# Allegro board 1281021_HW-FMC-XM500_Rev1_0.brd (continued)
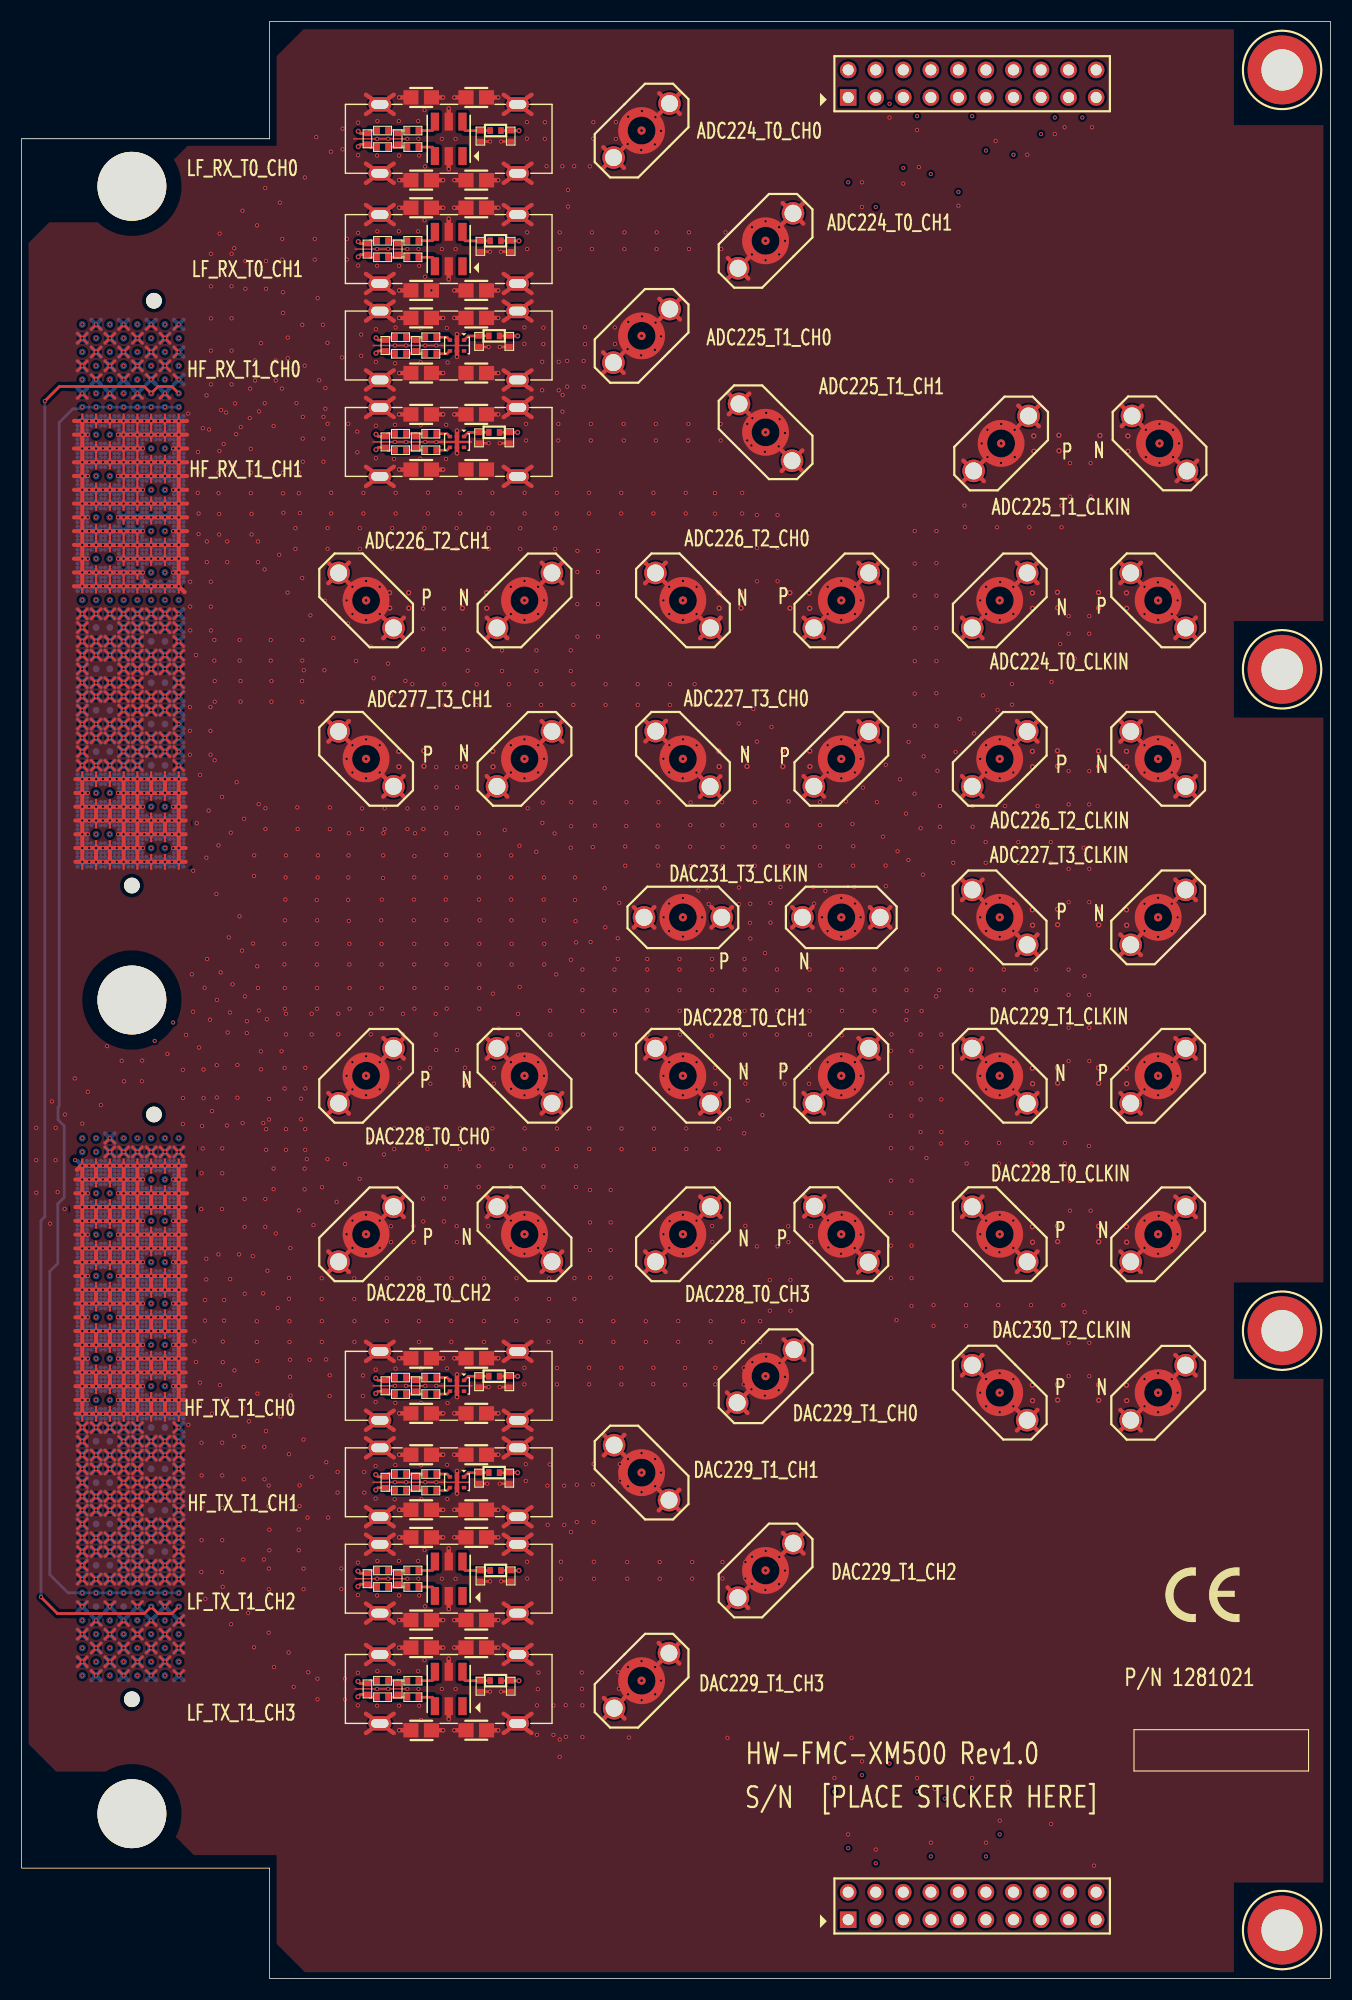
[diagram p0: board, top side]
## Routing (per net, layer and track width the routed paths; a pad name or vN(x,y) marks a point on that pad's centre or on a via; arc(x,y) is an arc through that point) (continued)
  L05_SIG w0.381: 10.33,47.88 v2(10.67,48.23) ; v2(10.67,48.23) 11.01,48.57 ; v2(10.67,48.23) 11.01,47.88 ; v2(10.67,48.23) 10.33,48.57 ; J28.3 93.65,67 ; J28.3 91.75,67 ; J28.3 93.65,65.1 ; J28.3 91.75,65.1 ; 7.79,48.57 v2(8.13,48.23) ; v2(8.13,48.23) 7.79,47.88 ; v2(8.13,48.23) 8.47,48.57 ; v2(8.13,48.23) 8.47,47.88 ; 14.14,45.34 v2(14.48,45.69) ; v2(14.48,45.69) 14.82,46.03 ; v2(14.48,45.69) 14.14,46.03 ; v2(14.48,45.69) 14.82,45.34 ; 14.14,116.53 v2(14.48,116.87) ; v2(14.48,116.87) 14.82,116.53 ; v2(14.48,116.87) 14.82,117.22 ; v2(14.48,116.87) 14.14,117.22 ; 11.6,47.88 v2(11.94,48.23) ; v2(11.94,48.23) 11.6,48.57 ; v2(11.94,48.23) 12.28,48.57 ; v2(11.94,48.23) 12.28,47.88 ; J897.3 108.26,55.56 ; J897.3 106.36,57.46 ; J897.3 108.26,57.46 ; J897.3 106.36,55.56 ; 42.87,86.67 J27.3 ; J27.3 42.87,84.77 ; J27.3 44.77,86.67 ; J27.3 44.77,84.77 ; v2(10.67,118.14) 11.01,118.49 ; v2(10.67,118.14) 10.33,117.8 ; v2(10.67,118.14) 11.01,117.8 ; v2(10.67,118.14) 10.33,118.49 ; J31.3 88.59,123.52 ; J31.3 86.69,125.42 ; J31.3 86.69,123.52 ; J31.3 88.59,125.42 ; v2(10.67,38.07) 11.01,38.41 ; v2(10.67,38.07) 11.01,37.72 ; v2(10.67,38.07) 10.33,38.41 ; v2(10.67,38.07) 10.33,37.72 ; 106.36,84.77 J896.3 ; J896.3 106.36,86.67 ; J896.3 108.26,84.77 ; J896.3 108.26,86.67 ; J893.2 93.65,113.98 ; J893.2 91.75,113.98 ; J893.2 91.75,115.88 ; J893.2 93.65,115.88 ; J898.2 88.59,55.56 ; J898.2 88.59,57.46 ; J898.2 86.69,57.46 ; J898.2 86.69,55.56 ; v2(9.4,40.61) 9.74,40.26 ; v2(9.4,40.61) 9.06,40.26 ; v2(9.4,40.61) 9.74,40.95 ; v2(9.4,40.61) 9.06,40.95 ; 6.52,50.42 v2(6.86,50.77) ; v2(6.86,50.77) 6.52,51.11 ; v2(6.86,50.77) 7.2,51.11 ; v2(6.86,50.77) 7.2,50.42 ; v2(6.86,40.61) 7.2,40.95 ; v2(6.86,40.61) 6.52,40.26 ; v2(6.86,40.61) 6.52,40.95 ; v2(6.86,40.61) 7.2,40.26 ; v2(9.4,125.76) 9.74,125.42 ; v2(9.4,125.76) 9.74,126.11 ; v2(9.4,125.76) 9.06,125.42 ; v2(9.4,125.76) 9.06,126.11 ; J37.2 79.05,113.98 ; J37.2 77.15,113.98 ; J37.2 77.15,115.88 ; J37.2 79.05,115.88 ; J39.2 30.17,113.98 ; J39.2 28.27,115.88 ; J39.2 28.27,113.98 ; J39.2 30.17,115.88 ; v2(13.21,124.49) 13.55,124.84 ; v2(13.21,124.49) 13.55,124.15 ; v2(13.21,124.49) 12.87,124.15 ; v2(13.21,124.49) 12.87,124.84 ; 7.79,43.49 v2(8.13,43.15) ; v2(8.13,43.15) 8.47,42.8 ; v2(8.13,43.15) 7.79,42.8 ; v2(8.13,43.15) 8.47,43.49 ; v2(9.4,123.22) 9.74,123.57 ; v2(9.4,123.22) 9.06,123.57 ; v2(9.4,123.22) 9.74,122.88 ; v2(9.4,123.22) 9.06,122.88 ; 7.79,123.57 v2(8.13,123.22) ; v2(8.13,123.22) 7.79,122.88 ; v2(8.13,123.22) 8.47,122.88 ; v2(8.13,123.22) 8.47,123.57 ; v2(13.21,45.69) 13.55,46.03 ; v2(13.21,45.69) 12.87,45.34 ; v2(13.21,45.69) 12.87,46.03 ; v2(13.21,45.69) 13.55,45.34 ; 34.3,143.89 RFCAGE5.4 31.74,143.89 ; RFCAGE8.3 47,173.61 ; RFCAGE8.3 44.44,173.61 ; RFCAGE8.3 47,171.83 ; RFCAGE8.3 44.44,171.83 ; 7.79,36.45 v2(8.13,36.8) ; v2(8.13,36.8) 8.47,36.45 ; v2(8.13,36.8) 8.47,37.14 ; v2(8.13,36.8) 7.79,37.14 ; v2(5.59,121.95) 5.93,121.61 ; v2(5.59,121.95) 5.25,121.61 ; v2(5.59,121.95) 5.93,122.3 ; v2(5.59,121.95) 5.25,122.3 ; v2(10.67,45.69) 11.01,46.03 ; v2(10.67,45.69) 10.33,46.03 ; v2(10.67,45.69) 11.01,45.34 ; v2(10.67,45.69) 10.33,45.34 ; J5.3 66.98,34.13 ; J5.3 65.08,36.03 ; J5.3 66.98,36.03 ; J5.3 65.08,34.13 ; 101.29,79.7 J896.2 ; J896.2 101.29,81.6 ; J896.2 103.19,81.6 ; J896.2 103.19,79.7 ; 72.08,110.81 J37.3 ; J37.3 73.98,108.91 ; J37.3 73.98,110.81 ; J37.3 72.08,108.91 ; 10.33,113.99 v2(10.67,114.33) ; v2(10.67,114.33) 11.01,113.99 ; v2(10.67,114.33) 11.01,114.68 ; v2(10.67,114.33) 10.33,114.68 ; J889.3 93.78,144.95 ; J889.3 93.78,143.05 ; J889.3 91.88,144.95 ; J889.3 91.88,143.05 ; J30.2 103.19,130.48 ; J30.2 101.29,130.48 ; J30.2 101.29,128.58 ; J30.2 103.19,128.58 ; 7.79,125.42 v2(8.13,125.76) ; v2(8.13,125.76) 7.79,126.11 ; v2(8.13,125.76) 8.47,125.42 ; v2(8.13,125.76) 8.47,126.11 ; 101.29,94.31 J892.3 ; J892.3 101.29,96.21 ; J892.3 103.19,96.21 ; J892.3 103.19,94.31 ; 5.25,115.95 v2(5.59,115.6) ; v2(5.59,115.6) 5.93,115.95 ; v2(5.59,115.6) 5.25,115.26 ; v2(5.59,115.6) 5.93,115.26 ; v2(5.59,38.07) 5.93,37.72 ; v2(5.59,38.07) 5.93,38.41 ; v2(5.59,38.07) 5.25,38.41 ; v2(5.59,38.07) 5.25,37.72 ; 11.6,124.84 v2(11.94,124.49) ; v2(11.94,124.49) 12.28,124.15 ; v2(11.94,124.49) 11.6,124.15 ; v2(11.94,124.49) 12.28,124.84 ; v2(6.86,111.79) 7.2,112.14 ; v2(6.86,111.79) 7.2,111.45 ; v2(6.86,111.79) 6.52,112.14 ; v2(6.86,111.79) 6.52,111.45 ; v2(10.67,121.95) 11.01,121.61 ; v2(10.67,121.95) 11.01,122.3 ; v2(10.67,121.95) 10.33,122.3 ; v2(10.67,121.95) 10.33,121.61 ; v2(10.67,115.6) 11.01,115.26 ; v2(10.67,115.6) 10.33,115.95 ; v2(10.67,115.6) 11.01,115.95 ; v2(10.67,115.6) 10.33,115.26 ; 9.06,36.45 v2(9.4,36.8) ; v2(9.4,36.8) 9.06,37.14 ; v2(9.4,36.8) 9.74,37.14 ; v2(9.4,36.8) 9.74,36.45 ; J34.3 30.17,128.58 ; J34.3 28.27,130.48 ; J34.3 28.27,128.58 ; J34.3 30.17,130.48 ; v2(5.59,40.61) 5.93,40.26 ; v2(5.59,40.61) 5.93,40.95 ; v2(5.59,40.61) 5.25,40.95 ; v2(5.59,40.61) 5.25,40.26 ; 14.14,46.61 v2(14.48,46.96) ; v2(14.48,46.96) 14.82,47.3 ; v2(14.48,46.96) 14.82,46.61 ; v2(14.48,46.96) 14.14,47.3 ; 9.06,114.68 v2(9.4,114.33) ; v2(9.4,114.33) 9.06,113.99 ; v2(9.4,114.33) 9.74,114.68 ; v2(9.4,114.33) 9.74,113.99 ; J20.2 79.05,86.67 ; J20.2 77.15,84.77 ; J20.2 79.05,84.77 ; J20.2 77.15,86.67 ; 33.33,70.16 J22.3 ; J22.3 33.33,72.06 ; J22.3 35.23,72.06 ; J22.3 35.23,70.16 ; v2(14.48,76.17) 14.82,75.82 ; v2(14.48,76.17) 14.14,75.82 ; v2(14.48,76.17) 14.82,76.51 ; v2(14.48,76.17) 14.14,76.51 ; v2(14.48,50.77) 14.82,51.11 ; v2(14.48,50.77) 14.14,50.42 ; v2(14.48,50.77) 14.82,50.42 ; v2(14.48,50.77) 14.14,51.11 ; 11.6,117.8 v2(11.94,118.14) ; v2(11.94,118.14) 12.28,118.49 ; v2(11.94,118.14) 11.6,118.49 ; v2(11.94,118.14) 12.28,117.8 ; 10.33,126.11 v2(10.67,125.76) ; v2(10.67,125.76) 11.01,125.42 ; v2(10.67,125.76) 10.33,125.42 ; v2(10.67,125.76) 11.01,126.11 ; 6.52,114.68 v2(6.86,114.33) ; v2(6.86,114.33) 6.52,113.99 ; v2(6.86,114.33) 7.2,114.68 ; v2(6.86,114.33) 7.2,113.99 ; 11.6,36.45 v2(11.94,36.8) ; v2(11.94,36.8) 12.28,36.45 ; v2(11.94,36.8) 11.6,37.14 ; v2(11.94,36.8) 12.28,37.14 ; 28.27,81.6 J26.3 ; J26.3 30.17,81.6 ; J26.3 30.17,79.7 ; J26.3 28.27,79.7 ; v2(9.4,38.07) 9.74,38.41 ; v2(9.4,38.07) 9.06,38.41 ; v2(9.4,38.07) 9.06,37.72 ; v2(9.4,38.07) 9.74,37.72 ; v2(10.67,123.22) 11.01,122.88 ; v2(10.67,123.22) 10.33,122.88 ; v2(10.67,123.22) 11.01,123.57 ; v2(10.67,123.22) 10.33,123.57 ; J32.2 64.44,125.42 ; J32.2 64.44,123.52 ; J32.2 62.54,123.52 ; J32.2 62.54,125.42 ; J22.2 30.17,65.1 ; J22.2 30.17,67 ; J22.2 28.27,67 ; J22.2 28.27,65.1 ; RFCAGE3.4 34.3,48 ; RFCAGE3.4 31.74,49.79 ; RFCAGE3.4 34.3,49.79 ; RFCAGE3.4 31.74,48 ; v2(11.94,121.95) 12.28,121.61 ; v2(11.94,121.95) 11.6,122.3 ; v2(11.94,121.95) 12.28,122.3 ; v2(11.94,121.95) 11.6,121.61 ; 101.29,67 J29.2 ; J29.2 103.19,65.1 ; J29.2 101.29,65.1 ; J29.2 103.19,67 ; J897.2 103.19,52.39 ; J897.2 101.29,52.39 ; J897.2 101.29,50.49 ; J897.2 103.19,50.49 ; 33.33,125.42 J34.2 ; J34.2 35.23,125.42 ; J34.2 33.33,123.52 ; J34.2 35.23,123.52 ; v2(5.59,45.69) 5.93,46.03 ; v2(5.59,45.69) 5.25,46.03 ; v2(5.59,45.69) 5.93,45.34 ; v2(5.59,45.69) 5.25,45.34 ; v2(6.86,119.41) 7.2,119.76 ; v2(6.86,119.41) 6.52,119.07 ; v2(6.86,119.41) 7.2,119.07 ; v2(6.86,119.41) 6.52,119.76 ; J25.2 64.44,72.06 ; J25.2 62.54,72.06 ; J25.2 64.44,70.16 ; J25.2 62.54,70.16 ; v2(5.59,46.96) 5.93,46.61 ; v2(5.59,46.96) 5.25,46.61 ; v2(5.59,46.96) 5.93,47.3 ; v2(5.59,46.96) 5.25,47.3 ; 10.33,39.68 v2(10.67,39.34) ; v2(10.67,39.34) 11.01,39.68 ; v2(10.67,39.34) 10.33,38.99 ; v2(10.67,39.34) 11.01,38.99 ; v2(5.59,39.34) 5.93,39.68 ; v2(5.59,39.34) 5.25,38.99 ; v2(5.59,39.34) 5.25,39.68 ; v2(5.59,39.34) 5.93,38.99 ; 7.79,117.8 v2(8.13,118.14) ; v2(8.13,118.14) 8.47,118.49 ; v2(8.13,118.14) 8.47,117.8 ; v2(8.13,118.14) 7.79,118.49 ; J33.3 79.05,130.48 ; J33.3 77.15,128.58 ; J33.3 79.05,128.58 ; J33.3 77.15,130.48 ; 47.94,115.88 J40.3 ; J40.3 47.94,113.98 ; J40.3 49.84,113.98 ; J40.3 49.84,115.88 ; RFCAGE4.3 47,58.68 ; RFCAGE4.3 47,56.89 ; RFCAGE4.3 44.44,58.68 ; RFCAGE4.3 44.44,56.89 ; 57.5,114 J36.3 ; J36.3 57.5,115.9 ; J36.3 59.4,114 ; J36.3 59.4,115.9 ; J5.2 72.08,41.05 ; J5.2 70.18,41.05 ; J5.2 70.18,39.15 ; J5.2 72.08,39.15 ; 5.25,44.07 v2(5.59,44.42) ; v2(5.59,44.42) 5.25,44.76 ; v2(5.59,44.42) 5.93,44.76 ; v2(5.59,44.42) 5.93,44.07 ; v2(8.13,114.33) 8.47,113.99 ; v2(8.13,114.33) 8.47,114.68 ; v2(8.13,114.33) 7.79,113.99 ; v2(8.13,114.33) 7.79,114.68 ; 9.06,115.26 v2(9.4,115.6) ; v2(9.4,115.6) 9.74,115.95 ; v2(9.4,115.6) 9.74,115.26 ; v2(9.4,115.6) 9.06,115.95 ; v2(6.86,48.23) 7.2,48.57 ; v2(6.86,48.23) 6.52,48.57 ; v2(6.86,48.23) 6.52,47.88 ; v2(6.86,48.23) 7.2,47.88 ; 5.25,43.49 v2(5.59,43.15) ; v2(5.59,43.15) 5.25,42.8 ; v2(5.59,43.15) 5.93,42.8 ; v2(5.59,43.15) 5.93,43.49 ; v2(6.86,118.14) 7.2,117.8 ; v2(6.86,118.14) 6.52,117.8 ; v2(6.86,118.14) 6.52,118.49 ; v2(6.86,118.14) 7.2,118.49 ; 10.33,49.84 v2(10.67,49.5) ; v2(10.67,49.5) 10.33,49.15 ; v2(10.67,49.5) 11.01,49.84 ; v2(10.67,49.5) 11.01,49.15 ; 5.25,120.34 v2(5.59,120.68) ; v2(5.59,120.68) 5.93,121.03 ; v2(5.59,120.68) 5.93,120.34 ; v2(5.59,120.68) 5.25,121.03 ; v2(10.67,111.79) 11.01,111.45 ; v2(10.67,111.79) 10.33,112.14 ; v2(10.67,111.79) 11.01,112.14 ; v2(10.67,111.79) 10.33,111.45 ; v2(9.4,49.5) 9.74,49.15 ; v2(9.4,49.5) 9.74,49.84 ; v2(9.4,49.5) 9.06,49.84 ; v2(9.4,49.5) 9.06,49.15 ; v2(5.59,116.87) 5.93,116.53 ; v2(5.59,116.87) 5.25,116.53 ; v2(5.59,116.87) 5.93,117.22 ; v2(5.59,116.87) 5.25,117.22 ; RFCAGE3.3 47,48 ; RFCAGE3.3 44.44,48 ; RFCAGE3.3 47,49.79 ; RFCAGE3.3 44.44,49.79 ; v2(11.94,40.61) 12.28,40.26 ; v2(11.94,40.61) 11.6,40.95 ; v2(11.94,40.61) 12.28,40.95 ; v2(11.94,40.61) 11.6,40.26 ; v2(14.48,121.95) 14.82,121.61 ; v2(14.48,121.95) 14.14,121.61 ; v2(14.48,121.95) 14.82,122.3 ; v2(14.48,121.95) 14.14,122.3 ; 9.06,118.49 v2(9.4,118.14) ; v2(9.4,118.14) 9.74,117.8 ; v2(9.4,118.14) 9.06,117.8 ; v2(9.4,118.14) 9.74,118.49 ; J891.3 88.59,101.27 ; J891.3 86.69,101.27 ; J891.3 86.69,99.37 ; J891.3 88.59,99.37 ; 14.14,36.45 v2(14.48,36.8) ; v2(14.48,36.8) 14.14,37.14 ; v2(14.48,36.8) 14.82,36.45 ; v2(14.48,36.8) 14.82,37.14 ; 31.74,30.74 RFCAGE1.4 ; RFCAGE1.4 34.3,28.95 ; RFCAGE1.4 34.3,30.74 ; RFCAGE1.4 31.74,28.95 ; J8.3 55.57,50.09 ; J8.3 53.67,48.19 ; J8.3 55.57,48.19 ; J8.3 53.67,50.09 ; J35.3 49.84,128.58 ; J35.3 49.84,130.48 ; J35.3 47.94,130.48 ; J35.3 47.94,128.58 ; v2(10.67,43.15) 11.01,42.8 ; v2(10.67,43.15) 11.01,43.49 ; v2(10.67,43.15) 10.33,42.8 ; v2(10.67,43.15) 10.33,43.49 ; 5.25,123.57 v2(5.59,123.22) ; v2(5.59,123.22) 5.25,122.88 ; v2(5.59,123.22) 5.93,122.88 ; v2(5.59,123.22) 5.93,123.57 ; v2(13.21,76.17) 13.55,76.51 ; v2(13.21,76.17) 12.87,76.51 ; v2(13.21,76.17) 12.87,75.82 ; v2(13.21,76.17) 13.55,75.82 ; v2(13.21,38.07) 13.55,38.41 ; v2(13.21,38.07) 12.87,38.41 ; v2(13.21,38.07) 12.87,37.72 ; v2(13.21,38.07) 13.55,37.72 ; 10.33,112.72 v2(10.67,113.06) ; v2(10.67,113.06) 11.01,113.41 ; v2(10.67,113.06) 10.33,113.41 ; v2(10.67,113.06) 11.01,112.72 ; 14.14,118.49 v2(14.48,118.14) ; v2(14.48,118.14) 14.14,117.8 ; v2(14.48,118.14) 14.82,117.8 ; v2(14.48,118.14) 14.82,118.49 ; v2(5.59,50.77) 5.93,51.11 ; v2(5.59,50.77) 5.25,51.11 ; v2(5.59,50.77) 5.93,50.42 ; v2(5.59,50.77) 5.25,50.42 ; 72.08,125.42 J33.2 ; J33.2 73.98,125.42 ; J33.2 73.98,123.52 ; J33.2 72.08,123.52 ; 12.87,47.88 v2(13.21,48.23) ; v2(13.21,48.23) 13.55,47.88 ; v2(13.21,48.23) 12.87,48.57 ; v2(13.21,48.23) 13.55,48.57 ; v2(5.59,111.79) 5.93,111.45 ; v2(5.59,111.79) 5.25,112.14 ; v2(5.59,111.79) 5.93,112.14 ; v2(5.59,111.79) 5.25,111.45 ; 5.93,34.6 v2(5.59,34.26) 5.25,34.6 ; v2(13.21,114.33) 13.55,113.99 ; v2(13.21,114.33) 12.87,113.99 ; v2(13.21,114.33) 13.55,114.68 ; v2(13.21,114.33) 12.87,114.68 ; 7.79,40.95 v2(8.13,40.61) ; v2(8.13,40.61) 7.79,40.26 ; v2(8.13,40.61) 8.47,40.95 ; v2(8.13,40.61) 8.47,40.26 ; J25.3 59.38,67 ; J25.3 57.48,67 ; J25.3 59.38,65.1 ; J25.3 57.48,65.1 ; J7.2 72.15,56.99 ; J7.2 70.25,58.9 ; J7.2 70.25,56.99 ; J7.2 72.15,58.9 ; J36.2 64.42,110.79 ; J36.2 64.42,108.89 ; J36.2 62.52,110.79 ; J36.2 62.52,108.89 ; J894.2 103.19,115.88 ; J894.2 101.29,115.88 ; J894.2 101.29,113.98 ; J894.2 103.19,113.98 ; 5.25,114.68 v2(5.59,114.33) ; v2(5.59,114.33) 5.93,113.99 ; v2(5.59,114.33) 5.93,114.68 ; v2(5.59,114.33) 5.25,113.99 ; v2(8.13,50.77) 8.47,50.42 ; v2(8.13,50.77) 8.47,51.11 ; v2(8.13,50.77) 7.79,50.42 ; v2(8.13,50.77) 7.79,51.11 ; 14.14,49.84 v2(14.48,49.5) ; v2(14.48,49.5) 14.82,49.15 ; v2(14.48,49.5) 14.82,49.84 ; v2(14.48,49.5) 14.14,49.15 ; v2(5.59,124.49) 5.93,124.84 ; v2(5.59,124.49) 5.25,124.15 ; v2(5.59,124.49) 5.93,124.15 ; v2(5.59,124.49) 5.25,124.84 ; 11.6,113.41 v2(11.94,113.06) ; v2(11.94,113.06) 11.6,112.72 ; v2(11.94,113.06) 12.28,113.41 ; v2(11.94,113.06) 12.28,112.72 ; 91.75,52.39 J898.3 ; J898.3 93.65,52.39 ; J898.3 93.65,50.49 ; J898.3 91.75,50.49 ; 101.42,143.05 J890.2 ; J890.2 103.32,144.95 ; J890.2 101.42,144.95 ; J890.2 103.32,143.05 ; v2(10.67,76.17) 11.01,76.51 ; v2(10.67,76.17) 10.33,76.51 ; v2(10.67,76.17) 11.01,75.82 ; v2(10.67,76.17) 10.33,75.82 ; 9.06,121.03 v2(9.4,120.68) ; v2(9.4,120.68) 9.74,120.34 ; v2(9.4,120.68) 9.74,121.03 ; v2(9.4,120.68) 9.06,120.34 ; 9.06,117.22 v2(9.4,116.87) ; v2(9.4,116.87) 9.06,116.53 ; v2(9.4,116.87) 9.74,116.53 ; v2(9.4,116.87) 9.74,117.22 ; 67,158.57 J3.3 65.1,158.57 ; J23.2 49.84,65.1 ; J23.2 47.94,65.1 ; J23.2 49.84,67 ; J23.2 47.94,67 ; 14.14,44.76 v2(14.48,44.42) ; v2(14.48,44.42) 14.82,44.07 ; v2(14.48,44.42) 14.14,44.07 ; v2(14.48,44.42) 14.82,44.76 ; 44.44,39.11 RFCAGE2.3 ; RFCAGE2.3 47,40.9 ; RFCAGE2.3 47,39.11 ; RFCAGE2.3 44.44,40.9 ; 14.14,123.57 v2(14.48,123.22) ; v2(14.48,123.22) 14.82,123.57 ; v2(14.48,123.22) 14.14,122.88 ; v2(14.48,123.22) 14.82,122.88 ; J21.2 64.44,79.7 ; J21.2 62.54,79.7 ; J21.2 64.44,81.6 ; J21.2 62.54,81.6 ; v2(14.48,115.6) 14.82,115.26 ; v2(14.48,115.6) 14.82,115.95 ; v2(14.48,115.6) 14.14,115.95 ; v2(14.48,115.6) 14.14,115.26 ; v2(14.48,114.33) 14.82,113.99 ; v2(14.48,114.33) 14.82,114.68 ; v2(14.48,114.33) 14.14,113.99 ; v2(14.48,114.33) 14.14,114.68 ; 7.79,115.95 v2(8.13,115.6) ; v2(8.13,115.6) 7.79,115.26 ; v2(8.13,115.6) 8.47,115.26 ; v2(8.13,115.6) 8.47,115.95 ; 11.6,121.03 v2(11.94,120.68) ; v2(11.94,120.68) 11.6,120.34 ; v2(11.94,120.68) 12.28,121.03 ; v2(11.94,120.68) 12.28,120.34 ; v2(14.48,124.49) 14.82,124.84 ; v2(14.48,124.49) 14.82,124.15 ; v2(14.48,124.49) 14.14,124.84 ; v2(14.48,124.49) 14.14,124.15 ; 71.03,98.74 J899.2 ; J899.2 72.93,98.74 ; J899.2 71.03,96.84 ; J899.2 72.93,96.84 ; 5.25,125.42 v2(5.59,125.76) ; v2(5.59,125.76) 5.93,126.11 ; v2(5.59,125.76) 5.93,125.42 ; v2(5.59,125.76) 5.25,126.11 ; 10.33,119.07 v2(10.67,119.41) ; v2(10.67,119.41) 11.01,119.07 ; v2(10.67,119.41) 11.01,119.76 ; v2(10.67,119.41) 10.33,119.76 ; 9.06,47.3 v2(9.4,46.96) ; v2(9.4,46.96) 9.74,47.3 ; v2(9.4,46.96) 9.06,46.61 ; v2(9.4,46.96) 9.74,46.61 ; J1.3 71.97,138.92 ; J1.3 70.07,140.83 ; J1.3 70.07,138.92 ; J1.3 71.97,140.83 ; v2(11.94,49.5) 12.28,49.15 ; v2(11.94,49.5) 12.28,49.84 ; v2(11.94,49.5) 11.6,49.84 ; v2(11.94,49.5) 11.6,49.15 ; v2(13.21,113.06) 13.55,113.41 ; v2(13.21,113.06) 12.87,113.41 ; v2(13.21,113.06) 12.87,112.72 ; v2(13.21,113.06) 13.55,112.72 ; 12.87,36.45 v2(13.21,36.8) ; v2(13.21,36.8) 12.87,37.14 ; v2(13.21,36.8) 13.55,36.45 ; v2(13.21,36.8) 13.55,37.14 ; RFCAGE5.2 47,139.32 ; RFCAGE5.2 44.44,139.32 ; RFCAGE5.2 44.44,137.54 ; RFCAGE5.2 47,137.54 ; 6.52,39.68 v2(6.86,39.34) ; v2(6.86,39.34) 6.52,38.99 ; v2(6.86,39.34) 7.2,38.99 ; v2(6.86,39.34) 7.2,39.68 ; v2(10.67,44.42) 11.01,44.76 ; v2(10.67,44.42) 10.33,44.76 ; v2(10.67,44.42) 10.33,44.07 ; v2(10.67,44.42) 11.01,44.07 ; 9.06,42.8 v2(9.4,43.15) ; v2(9.4,43.15) 9.74,43.49 ; v2(9.4,43.15) 9.74,42.8 ; v2(9.4,43.15) 9.06,43.49 ; J20.3 73.98,81.6 ; J20.3 72.08,81.6 ; J20.3 73.98,79.7 ; J20.3 72.08,79.7 ; 44.44,28.95 RFCAGE1.3 ; RFCAGE1.3 47,30.74 ; RFCAGE1.3 44.44,30.74 ; RFCAGE1.3 47,28.95 ; J24.3 74.03,70.21 ; J24.3 72.13,70.21 ; J24.3 72.13,72.11 ; J24.3 74.03,72.11 ; J39.3 35.23,108.91 ; J39.3 35.23,110.81 ; J39.3 33.33,108.91 ; J39.3 33.33,110.81 ; v2(14.48,39.34) 14.82,38.99 ; v2(14.48,39.34) 14.14,38.99 ; v2(14.48,39.34) 14.14,39.68 ; v2(14.48,39.34) 14.82,39.68 ; RFCAGE4.2 47,50.54 ; RFCAGE4.2 44.44,52.33 ; RFCAGE4.2 47,52.33 ; RFCAGE4.2 44.44,50.54 ; RFCAGE5.1 34.3,139.32 ; RFCAGE5.1 31.74,139.32 ; RFCAGE5.1 34.3,137.54 ; RFCAGE5.1 31.74,137.54 ; 86.69,110.81 J893.3 ; J893.3 88.59,110.81 ; J893.3 86.69,108.91 ; J893.3 88.59,108.91 ; J27.2 49.84,81.6 ; J27.2 49.84,79.7 ; J27.2 47.94,81.6 ; J27.2 47.94,79.7 ; 44.44,34.55 RFCAGE2.2 ; RFCAGE2.2 44.44,32.76 ; RFCAGE2.2 47,34.55 ; RFCAGE2.2 47,32.76 ; 77.1,66.95 J24.2 ; J24.2 77.1,65.05 ; J24.2 79,66.95 ; J24.2 79,65.05 ; v2(8.13,46.96) 8.47,47.3 ; v2(8.13,46.96) 7.79,47.3 ; v2(8.13,46.96) 8.47,46.61 ; v2(8.13,46.96) 7.79,46.61 ; v2(14.48,119.41) 14.82,119.07 ; v2(14.48,119.41) 14.14,119.07 ; v2(14.48,119.41) 14.82,119.76 ; v2(14.48,119.41) 14.14,119.76 ; 10.33,51.11 v2(10.67,50.77) ; v2(10.67,50.77) 10.33,50.42 ; v2(10.67,50.77) 11.01,50.42 ; v2(10.67,50.77) 11.01,51.11 ; v2(11.94,114.33) 12.28,113.99 ; v2(11.94,114.33) 11.6,113.99 ; v2(11.94,114.33) 11.6,114.68 ; v2(11.94,114.33) 12.28,114.68 ; v2(6.86,125.76) 7.2,126.11 ; v2(6.86,125.76) 6.52,125.42 ; v2(6.86,125.76) 6.52,126.11 ; v2(6.86,125.76) 7.2,125.42 ; 7.79,34.6 v2(8.13,34.26) 8.47,34.6 ; 12.87,117.8 v2(13.21,118.14) ; v2(13.21,118.14) 12.87,118.49 ; v2(13.21,118.14) 13.55,117.8 ; v2(13.21,118.14) 13.55,118.49 ; v2(11.94,125.76) 12.28,126.11 ; v2(11.94,125.76) 11.6,125.42 ; v2(11.94,125.76) 11.6,126.11 ; v2(11.94,125.76) 12.28,125.42 ; 42.87,108.91 J40.2 ; J40.2 44.77,110.81 ; J40.2 44.77,108.91 ; J40.2 42.87,110.81 ; v2(13.21,44.42) 13.55,44.07 ; v2(13.21,44.42) 13.55,44.76 ; v2(13.21,44.42) 12.87,44.07 ; v2(13.21,44.42) 12.87,44.76 ; v2(14.48,113.06) 14.82,113.41 ; v2(14.48,113.06) 14.14,112.72 ; v2(14.48,113.06) 14.14,113.41 ; v2(14.48,113.06) 14.82,112.72 ; 11.6,117.22 v2(11.94,116.87) ; v2(11.94,116.87) 12.28,116.53 ; v2(11.94,116.87) 11.6,116.53 ; v2(11.94,116.87) 12.28,117.22 ; 5.25,48.57 v2(5.59,48.23) ; v2(5.59,48.23) 5.93,47.88 ; v2(5.59,48.23) 5.25,47.88 ; v2(5.59,48.23) 5.93,48.57 ; 10.33,42.22 v2(10.67,41.88) ; v2(10.67,41.88) 11.01,42.22 ; v2(10.67,41.88) 10.33,41.53 ; v2(10.67,41.88) 11.01,41.53 ; 9.06,113.41 v2(9.4,113.06) ; v2(9.4,113.06) 9.74,112.72 ; v2(9.4,113.06) 9.74,113.41 ; v2(9.4,113.06) 9.06,112.72 ; 7.79,119.76 v2(8.13,119.41) ; v2(8.13,119.41) 8.47,119.76 ; v2(8.13,119.41) 7.79,119.07 ; v2(8.13,119.41) 8.47,119.07 ; J895.3 93.65,81.6 ; J895.3 91.75,79.7 ; J895.3 93.65,79.7 ; J895.3 91.75,81.6 ; 9.06,44.07 v2(9.4,44.42) ; v2(9.4,44.42) 9.74,44.07 ; v2(9.4,44.42) 9.06,44.76 ; v2(9.4,44.42) 9.74,44.76 ; 10.33,117.22 v2(10.67,116.87) ; v2(10.67,116.87) 10.33,116.53 ; v2(10.67,116.87) 11.01,117.22 ; v2(10.67,116.87) 11.01,116.53 ; 65.01,52.1 J7.3 ; J7.3 66.91,54 ; J7.3 66.91,52.1 ; J7.3 65.01,54 ; 14.14,121.03 v2(14.48,120.68) ; v2(14.48,120.68) 14.82,121.03 ; v2(14.48,120.68) 14.14,120.34 ; v2(14.48,120.68) 14.82,120.34 ; 12.87,42.22 v2(13.21,41.88) ; v2(13.21,41.88) 12.87,41.53 ; v2(13.21,41.88) 13.55,42.22 ; v2(13.21,41.88) 13.55,41.53 ; 31.74,50.54 RFCAGE4.1 ; RFCAGE4.1 31.74,52.33 ; RFCAGE4.1 34.3,52.33 ; RFCAGE4.1 34.3,50.54 ; J894.3 108.26,110.81 ; J894.3 106.36,108.91 ; J894.3 106.36,110.81 ; J894.3 108.26,108.91 ; J895.2 88.59,86.67 ; J895.2 86.69,86.67 ; J895.2 86.69,84.77 ; J895.2 88.59,84.77 ; 14.14,42.22 v2(14.48,41.88) ; v2(14.48,41.88) 14.82,41.53 ; v2(14.48,41.88) 14.14,41.53 ; v2(14.48,41.88) 14.82,42.22 ; 9.06,124.15 v2(9.4,124.49) ; v2(9.4,124.49) 9.74,124.15 ; v2(9.4,124.49) 9.06,124.84 ; v2(9.4,124.49) 9.74,124.84 ; v2(9.4,45.69) 9.74,46.03 ; v2(9.4,45.69) 9.06,45.34 ; v2(9.4,45.69) 9.74,45.34 ; v2(9.4,45.69) 9.06,46.03 ; 31.74,43.44 RFCAGE3.1 ; RFCAGE3.1 34.3,41.65 ; RFCAGE3.1 31.74,41.65 ; RFCAGE3.1 34.3,43.44 ; J28.2 88.59,70.16 ; J28.2 88.59,72.06 ; J28.2 86.69,72.06 ; J28.2 86.69,70.16 ; 12.87,116.53 v2(13.21,116.87) ; v2(13.21,116.87) 13.55,116.53 ; v2(13.21,116.87) 13.55,117.22 ; v2(13.21,116.87) 12.87,117.22 ; v2(6.86,46.96) 7.2,47.3 ; v2(6.86,46.96) 6.52,46.61 ; v2(6.86,46.96) 7.2,46.61 ; v2(6.86,46.96) 6.52,47.3 ; 65.19,144.16 J1.2 ; J1.2 65.19,146.06 ; J1.2 67.09,146.06 ; J1.2 67.09,144.16 ; v2(13.21,125.76) 13.55,126.11 ; v2(13.21,125.76) 12.87,125.42 ; v2(13.21,125.76) 13.55,125.42 ; v2(13.21,125.76) 12.87,126.11 ; 6.52,122.3 v2(6.86,121.95) ; v2(6.86,121.95) 7.2,121.61 ; v2(6.86,121.95) 6.52,121.61 ; v2(6.86,121.95) 7.2,122.3 ; v2(13.21,120.68) 13.55,120.34 ; v2(13.21,120.68) 12.87,121.03 ; v2(13.21,120.68) 13.55,121.03 ; v2(13.21,120.68) 12.87,120.34 ; v2(13.21,121.95) 13.55,122.3 ; v2(13.21,121.95) 12.87,121.61 ; v2(13.21,121.95) 13.55,121.61 ; v2(13.21,121.95) 12.87,122.3 ; 11.6,38.41 v2(11.94,38.07) ; v2(11.94,38.07) 12.28,37.72 ; v2(11.94,38.07) 12.28,38.41 ; v2(11.94,38.07) 11.6,37.72 ; 91.75,130.48 J31.2 ; J31.2 93.65,130.48 ; J31.2 91.75,128.58 ; J31.2 93.65,128.58 ; 55.51,149.87 J2.3 53.6,149.87 ; v2(11.94,44.42) 12.28,44.76 ; v2(11.94,44.42) 12.28,44.07 ; v2(11.94,44.42) 11.6,44.07 ; v2(11.94,44.42) 11.6,44.76 ; v2(14.48,125.76) 14.82,126.11 ; v2(14.48,125.76) 14.14,125.42 ; v2(14.48,125.76) 14.82,125.42 ; v2(14.48,125.76) 14.14,126.11 ; J899.3 80.1,96.84 ; J899.3 78.2,96.84 ; J899.3 80.1,98.74 ; J899.3 78.2,98.74 ; 10.33,121.03 v2(10.67,120.68) ; v2(10.67,120.68) 11.01,121.03 ; v2(10.67,120.68) 10.33,120.34 ; v2(10.67,120.68) 11.01,120.34 ; v2(8.13,39.34) 8.47,38.99 ; v2(8.13,39.34) 8.47,39.68 ; v2(8.13,39.34) 7.79,38.99 ; v2(8.13,39.34) 7.79,39.68 ; v2(6.86,115.6) 7.2,115.26 ; v2(6.86,115.6) 7.2,115.95 ; v2(6.86,115.6) 6.52,115.26 ; v2(6.86,115.6) 6.52,115.95 ; 10.33,47.3 v2(10.67,46.96) ; v2(10.67,46.96) 10.33,46.61 ; v2(10.67,46.96) 11.01,47.3 ; v2(10.67,46.96) 11.01,46.61 ; 9.06,122.3 v2(9.4,121.95) ; v2(9.4,121.95) 9.74,122.3 ; v2(9.4,121.95) 9.06,121.61 ; v2(9.4,121.95) 9.74,121.61 ; v2(8.13,77.44) 8.47,77.09 ; v2(8.13,77.44) 8.47,77.78 ; v2(8.13,77.44) 7.79,77.09 ; v2(8.13,77.44) 7.79,77.78 ; 47,143.89 RFCAGE5.3 44.44,143.89 ; 14.14,112.14 v2(14.48,111.79) ; v2(14.48,111.79) 14.82,112.14 ; v2(14.48,111.79) 14.82,111.45 ; v2(14.48,111.79) 14.14,111.45 ; 14.14,37.72 v2(14.48,38.07) ; v2(14.48,38.07) 14.14,38.41 ; v2(14.48,38.07) 14.82,38.41 ; v2(14.48,38.07) 14.82,37.72 ; 11.6,41.53 v2(11.94,41.88) ; v2(11.94,41.88) 12.28,42.22 ; v2(11.94,41.88) 12.28,41.53 ; v2(11.94,41.88) 11.6,42.22 ; v2(8.13,76.17) 8.47,75.82 ; v2(8.13,76.17) 8.47,76.51 ; v2(8.13,76.17) 7.79,76.51 ; v2(8.13,76.17) 7.79,75.82 ; 63.59,98.74 J900.3 ; J900.3 65.49,96.84 ; J900.3 65.49,98.74 ; J900.3 63.59,96.84 ; 9.06,76.51 v2(9.4,76.17) ; v2(9.4,76.17) 9.74,76.51 ; v2(9.4,76.17) 9.74,75.82 ; v2(9.4,76.17) 9.06,75.82 ; 56.43,96.84 J900.2 ; J900.2 56.43,98.74 ; J900.2 58.33,98.74 ; J900.2 58.33,96.84 ; v2(6.86,43.15) 7.2,42.8 ; v2(6.86,43.15) 7.2,43.49 ; v2(6.86,43.15) 6.52,42.8 ; v2(6.86,43.15) 6.52,43.49 ; v2(5.59,118.14) 5.93,117.8 ; v2(5.59,118.14) 5.93,118.49 ; v2(5.59,118.14) 5.25,118.49 ; v2(5.59,118.14) 5.25,117.8 ; 31.74,56.89 RFCAGE4.4 ; RFCAGE4.4 34.3,56.89 ; RFCAGE4.4 31.74,58.68 ; RFCAGE4.4 34.3,58.68 ; v2(13.21,49.5) 13.55,49.84 ; v2(13.21,49.5) 12.87,49.84 ; v2(13.21,49.5) 13.55,49.15 ; v2(13.21,49.5) 12.87,49.15 ; J26.2 35.23,86.67 ; J26.2 35.23,84.77 ; J26.2 33.33,84.77 ; J26.2 33.33,86.67 ; J891.2 93.65,96.21 ; J891.2 91.75,94.31 ; J891.2 93.65,94.31 ; J891.2 91.75,96.21 ; 6.52,123.57 v2(6.86,123.22) ; v2(6.86,123.22) 7.2,123.57 ; v2(6.86,123.22) 7.2,122.88 ; v2(6.86,123.22) 6.52,122.88 ; J35.2 44.77,125.42 ; J35.2 44.77,123.52 ; J35.2 42.87,125.42 ; J35.2 42.87,123.52 ; J29.3 108.26,70.16 ; J29.3 108.26,72.06 ; J29.3 106.36,72.06 ; J29.3 106.36,70.16 ; 70.16,161.73 J3.2 ; J3.2 70.16,163.63 ; J3.2 72.06,163.63 ; J3.2 72.06,161.73 ; J890.3 108.38,137.99 ; J890.3 108.38,139.89 ; J890.3 106.48,137.99 ; J890.3 106.48,139.89 ; 106.36,125.42 J30.3 ; J30.3 108.26,123.52 ; J30.3 108.26,125.42 ; J30.3 106.36,123.52 ; 11.6,75.82 v2(11.94,76.17) ; v2(11.94,76.17) 12.28,75.82 ; v2(11.94,76.17) 11.6,76.51 ; v2(11.94,76.17) 12.28,76.51 ; J23.3 44.77,72.06 ; J23.3 42.87,72.06 ; J23.3 42.87,70.16 ; J23.3 44.77,70.16 ; v2(9.4,48.23) 9.74,48.57 ; v2(9.4,48.23) 9.74,47.88 ; v2(9.4,48.23) 9.06,47.88 ; v2(9.4,48.23) 9.06,48.57 ; 60.7,152.9 J2.2 58.79,152.9 ; J32.3 59.38,130.48 ; J32.3 57.48,128.58 ; J32.3 59.38,128.58 ; J32.3 57.48,130.48 ; 11.6,46.03 v2(11.94,45.69) ; v2(11.94,45.69) 12.28,45.34 ; v2(11.94,45.69) 12.28,46.03 ; v2(11.94,45.69) 11.6,45.34 ; 14.14,48.57 v2(14.48,48.23) ; v2(14.48,48.23) 14.82,48.57 ; v2(14.48,48.23) 14.14,47.88 ; v2(14.48,48.23) 14.82,47.88 ; v2(9.4,119.41) 9.74,119.07 ; v2(9.4,119.41) 9.74,119.76 ; v2(9.4,119.41) 9.06,119.76 ; v2(9.4,119.41) 9.06,119.07 ; 9.06,41.53 v2(9.4,41.88) ; v2(9.4,41.88) 9.74,41.53 ; v2(9.4,41.88) 9.06,42.22 ; v2(9.4,41.88) 9.74,42.22 ; 14.14,40.95 v2(14.48,40.61) ; v2(14.48,40.61) 14.82,40.26 ; v2(14.48,40.61) 14.82,40.95 ; v2(14.48,40.61) 14.14,40.26 ; 7.79,121.61 v2(8.13,121.95) ; v2(8.13,121.95) 7.79,122.3 ; v2(8.13,121.95) 8.47,122.3 ; v2(8.13,121.95) 8.47,121.61 ; 7.79,111.45 v2(8.13,111.79) ; v2(8.13,111.79) 7.79,112.14 ; v2(8.13,111.79) 8.47,111.45 ; v2(8.13,111.79) 8.47,112.14 ; J892.2 108.26,101.27 ; J892.2 106.36,99.37 ; J892.2 106.36,101.27 ; J892.2 108.26,99.37 ; v2(9.4,39.34) 9.74,38.99 ; v2(9.4,39.34) 9.74,39.68 ; v2(9.4,39.34) 9.06,38.99 ; v2(9.4,39.34) 9.06,39.68 ; 55.52,168.77 J4.3 53.62,168.77 ; v2(10.67,40.61) 11.01,40.95 ; v2(10.67,40.61) 10.33,40.95 ; v2(10.67,40.61) 10.33,40.26 ; v2(10.67,40.61) 11.01,40.26 ; J6.3 55.57,25.84 ; J6.3 53.67,25.84 ; J6.3 55.57,23.94 ; J6.3 53.67,23.94 ; 7.79,44.76 v2(8.13,44.42) ; v2(8.13,44.42) 7.79,44.07 ; v2(8.13,44.42) 8.47,44.76 ; v2(8.13,44.42) 8.47,44.07 ; 12.87,40.26 v2(13.21,40.61) ; v2(13.21,40.61) 13.55,40.95 ; v2(13.21,40.61) 12.87,40.95 ; v2(13.21,40.61) 13.55,40.26 ; 58.73,29.02 J6.2 ; J6.2 60.63,29.02 ; J6.2 58.73,30.92 ; J6.2 60.63,30.92 ; v2(10.67,124.49) 11.01,124.15 ; v2(10.67,124.49) 11.01,124.84 ; v2(10.67,124.49) 10.33,124.84 ; v2(10.67,124.49) 10.33,124.15 ; J889.2 88.72,137.99 ; J889.2 88.72,139.89 ; J889.2 86.81,137.99 ; J889.2 86.81,139.89 ; 58.73,43.13 J8.2 ; J8.2 60.63,45.03 ; J8.2 60.63,43.13 ; J8.2 58.73,45.03 ; v2(6.86,36.8) 7.2,37.14 ; v2(6.86,36.8) 6.52,37.14 ; v2(6.86,36.8) 7.2,36.45 ; v2(6.86,36.8) 6.52,36.45 ; 31.74,39.11 RFCAGE2.4 ; RFCAGE2.4 34.3,39.11 ; RFCAGE2.4 31.74,40.9 ; RFCAGE2.4 34.3,40.9 ; v2(5.59,119.41) 5.93,119.76 ; v2(5.59,119.41) 5.25,119.76 ; v2(5.59,119.41) 5.25,119.07 ; v2(5.59,119.41) 5.93,119.07 ; 14.14,43.49 v2(14.48,43.15) ; v2(14.48,43.15) 14.82,42.8 ; v2(14.48,43.15) 14.82,43.49 ; v2(14.48,43.15) 14.14,42.8 ; 44.44,43.44 RFCAGE3.2 ; RFCAGE3.2 47,41.65 ; RFCAGE3.2 44.44,41.65 ; RFCAGE3.2 47,43.44 ; 9.06,112.14 v2(9.4,111.79) ; v2(9.4,111.79) 9.74,112.14 ; v2(9.4,111.79) 9.06,111.45 ; v2(9.4,111.79) 9.74,111.45 ; 5.25,112.72 v2(5.59,113.06) ; v2(5.59,113.06) 5.93,113.41 ; v2(5.59,113.06) 5.25,113.41 ; v2(5.59,113.06) 5.93,112.72 ; 5.25,49.15 v2(5.59,49.5) ; v2(5.59,49.5) 5.93,49.84 ; v2(5.59,49.5) 5.25,49.84 ; v2(5.59,49.5) 5.93,49.15 ; 60.68,171.84 J4.2 58.78,171.84 ; 47,22.6 RFCAGE1.2 44.44,22.6 ; 57.48,86.67 J21.3 ; J21.3 57.48,84.77 ; J21.3 59.38,84.77 ; J21.3 59.38,86.67 ; v2(5.59,36.8) 5.93,37.14 ; v2(5.59,36.8) 5.93,36.45 ; v2(5.59,36.8) 5.25,37.14 ; v2(5.59,36.8) 5.25,36.45 ; RFCAGE2.1 34.3,34.55 ; RFCAGE2.1 31.74,32.76 ; RFCAGE2.1 34.3,32.76 ; RFCAGE2.1 31.74,34.55 ; v2(5.59,41.88) 5.93,42.22 ; v2(5.59,41.88) 5.25,41.53 ; v2(5.59,41.88) 5.93,41.53 ; v2(5.59,41.88) 5.25,42.22 ; v2(10.67,36.8) 11.01,37.14 ; v2(10.67,36.8) 10.33,36.45 ; v2(10.67,36.8) 11.01,36.45 ; v2(10.67,36.8) 10.33,37.14 ; v2(6.86,44.42) 7.2,44.07 ; v2(6.86,44.42) 6.52,44.07 ; v2(6.86,44.42) 7.2,44.76 ; v2(6.86,44.42) 6.52,44.76 ; v2(9.4,50.77) 9.74,51.11 ; v2(9.4,50.77) 9.06,50.42 ; v2(9.4,50.77) 9.06,51.11 ; v2(9.4,50.77) 9.74,50.42